# Altium PCB Bran_Main_Assay_PCB_v2_20170828.pcbdoc (part 4 of 5)
Units mm, origin at the board's own origin, x right, y up, seen from the top; angles counter-clockwise.
Board outline 91.65 x 48.25 mm, 6 copper layers (TOP, GND1, Singal, POWER, GND2, BOTTOM), stack 0.8 mm thick; 367 components, 288 nets, 1408 pads, 967 vias.
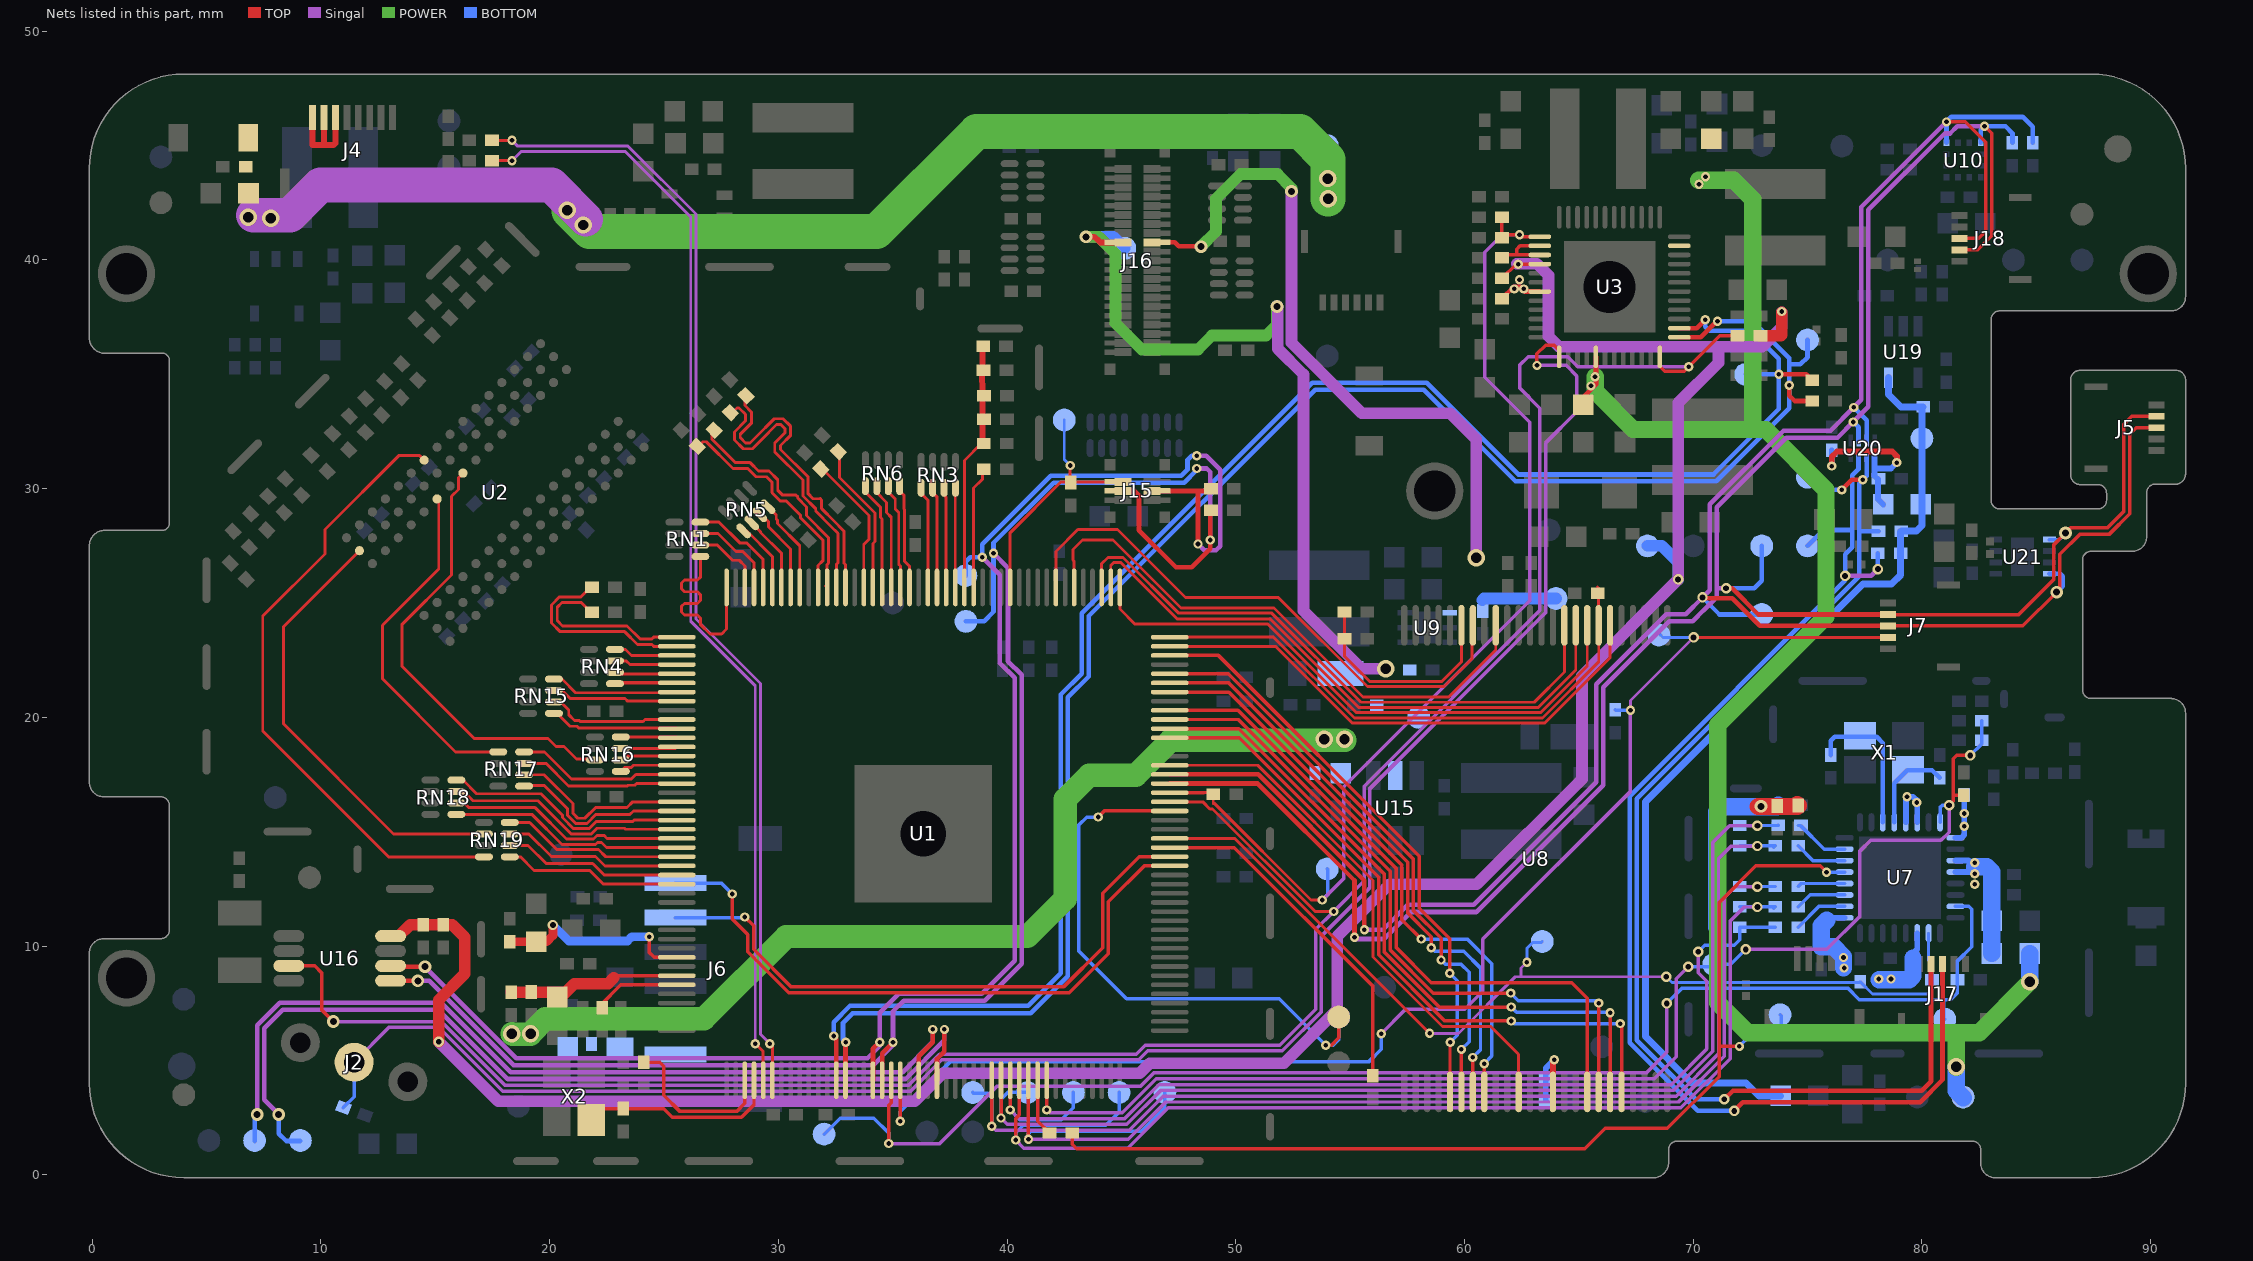
[diagram p8: the nets of this part, all layers, seen from the top]

## Via types
v1: diameter 0.406, hole 0.203, TOP to BOTTOM, tented both sides, 424 vias
v2: diameter 0.457, hole 0.254, TOP to BOTTOM, tented both sides, 256 vias
v3: diameter 0.559, hole 0.305, TOP to BOTTOM, tented both sides, 195 vias
v4: diameter 0.762, hole 0.457, TOP to BOTTOM, tented both sides, 69 vias
v5: diameter 0.61, hole 0.33, TOP to BOTTOM, tented both sides, 11 vias
v6: diameter 0.5, hole 0.2, TOP to BOTTOM, 9 vias
v7: diameter 0.559, hole 0.051, TOP to BOTTOM, tented both sides, 2 vias
v8: diameter 0.508, hole 0.254, TOP to BOTTOM, tented both sides, 1 vias

## Nets (pads, with @x,y where several pads share a name; then routed paths per layer and width w, separated by ;. In a path a pad name is that pad's centre, name@x,y a point inside that pad or via, vN(x,y) a via of type N, cw(c..) or ccw(c..) an arc to the next point about the centre after c; other vN are vias at no path point) (continued)
NCE0-N: U1.2 U8.9 | length 26.6
  TOP w0.127: U1.2@44.535,25.683 44.535,26.64 44.662,26.767 44.974,26.767 47.438,24.303 51.505,24.303 55.374,20.434 63.225,20.434 64.867,22.076 U8.9@64.867,24.024
NCE1-N: U1.3 U8.10 | length 26.6
  TOP w0.127: U1.3@44.135,25.683 44.135,26.716 44.415,26.996 45.069,26.996 47.507,24.557 51.575,24.557 55.469,20.663 63.051,20.663 64.367,21.979 U8.10@64.367,24.024
NCLE: U1.6 U8.16 | length 25.1
  TOP w0.127: U1.6@42.935,25.683 42.935,26.821 42.883,26.873 42.883,27.346 43.293,27.756 44.632,27.756 47.602,24.786 51.669,24.786 55.564,20.892 59.31,20.892 61.367,22.948 U8.16@61.367,24.024
ND0: U1.174 U8.29 | length 25.7
  TOP w0.152: U1.174@47.11,22.708 49.244,22.708 58.024,13.928 58.024,11.656 59.358,10.322 v1(59.358,8.81) ; U8.29@59.367,3.624 v1@59.367,5.791
  BOTTOM w0.152: v1(59.358,8.81) 59.688,8.479 59.688,6.107 v1(59.372,5.791)
ND1: U1.172 U8.30 | length 25.7
  TOP w0.152: U1.172@47.11,21.908 49.663,21.908 57.77,13.801 57.77,11.551 58.977,10.344 v1(58.977,9.394) ; U8.30@59.867,3.624 v1@59.867,5.481 ; v1(59.866,5.482) v1@59.867,5.481
  BOTTOM w0.152: v1(58.977,9.394) 59.155,9.216 59.841,9.216 60.2,8.856 60.2,5.816 v1(59.866,5.482)
ND2: U1.171 U8.31 | length 25.9
  TOP w0.152: U1.171@47.11,21.508 49.682,21.508 57.516,13.674 57.516,11.445 58.545,10.417 v1(58.545,9.927) ; U8.31@60.367,3.624 v1(60.367,5.134)
  BOTTOM w0.152: v1(58.545,9.927) 58.698,9.775 59.968,9.775 60.7,9.042 60.7,5.467 v1(60.367,5.134)
ND3: U1.170 U8.32 | length 26.2
  TOP w0.152: U1.170@47.11,21.108 49.702,21.108 57.262,13.547 57.262,11.159 v1(58.113,10.308) ; U8.32@60.831,3.66 U8.32@60.867,3.624 v1(60.867,4.862)
  BOTTOM w0.152: v1(58.113,10.308) 60.12,10.308 61.2,9.228 61.2,5.195 v1(60.867,4.862)
ND4: U1.168 U8.41 | length 29.6
  TOP w0.152: U1.168@47.11,20.308 50.095,20.308 57.008,13.394 57.008,9.936 58.542,8.403 64.685,8.403 65.367,7.722 U8.41@65.367,3.624
ND5: U1.167 U8.42 | length 29.8
  TOP w0.152: U1.167@47.11,19.908 50.114,19.908 56.754,13.267 56.754,9.831 58.64,7.946 v1(62.025,7.946) ; U8.42@65.867,3.624 v1(65.867,7.508)
  BOTTOM w0.152: v1(62.025,7.946) 62.359,7.612 65.763,7.612 v1(65.867,7.508)
ND6: U1.166 U8.43 | length 29.9
  TOP w0.152: U1.166@47.11,19.508 50.133,19.508 56.5,13.14 56.5,9.726 58.89,7.336 v1(62.05,7.336) ; U8.43@66.367,3.624 66.367,7.05 66.336,7.081 v1(66.367,7.081)
  BOTTOM w0.152: v1(62.05,7.336) 62.275,7.112 66.336,7.112 v1(66.367,7.081)
ND7: U1.165 U8.44 | length 29.9
  TOP w0.152: U1.165@47.11,19.108 50.152,19.108 56.246,13.013 56.246,9.621 59.14,6.727 v1(62.05,6.727) ; v1(66.814,6.612) 66.867,6.558 U8.44@66.867,3.624 U8.44@66.851,3.64
  BOTTOM w0.152: v1(62.05,6.727) 62.165,6.612 v1(66.814,6.612)
NDQS: U1.162 U8.35 | length 24.1
  TOP w0.127: U1.162@47.11,17.908 50.961,17.908 56.005,12.864 56.005,9.521 59.04,6.486 61.149,6.486 62.367,5.267 U8.35@62.367,3.624
NMI-N: R21.1 U1.158 U3.48 U16.3 | length 103.4
  TOP w0.127: U1.158@47.11,16.308 48.556,16.308 48.865,15.999 48.986,15.999 53.471,11.514 v1(54.278,11.514)
  TOP w0.152: U16.3@8.594,9.135 9.724,9.135 10.045,8.814 10.045,7.195 v3(10.539,6.701) ; U3.48@68.543,35.769 68.543,35.349 68.756,35.136 69.616,35.136 v1(69.811,35.331) 71.163,36.683 R21.1@71.939,36.683
  Singal w0.152: v3(10.539,6.701) 15.259,6.701 18.053,3.907 35.674,3.907 37.046,5.279 45.656,5.279 46.049,5.672 51.917,5.672 53.492,7.247 53.492,10.728 v1(54.278,11.514) 55.613,12.849 55.613,16.997 63.29,24.674 63.29,33.521 62.406,34.406 62.406,35.39 62.787,35.771 64.52,35.771 64.96,35.331 v1(69.811,35.331)
NRB0-N: R34.2 U1.176 U8.7 | length 24.5
  TOP w0.127: U1.176@47.11,23.508 51.654,23.508 55.185,19.977 63.414,19.977 65.87,22.433 65.87,24.021 U8.7@65.867,24.024 65.867,25.647 65.816,25.698
NRB1-N: U1.175 U8.6 | length 23.2
  TOP w0.127: U1.175@47.11,23.108 51.731,23.108 55.09,19.748 63.509,19.748 66.367,22.606 U8.6@66.367,24.024
NRE-N: U1.1 U8.8 | length 25.9
  TOP w0.127: U1.1@44.935,25.683 44.935,24.735 45.595,24.075 51.411,24.075 55.28,20.206 63.32,20.206 65.367,22.253 U8.8@65.367,24.024
NWE-N: U1.8 U8.18 | length 25
  TOP w0.127: U1.8@42.135,25.683 42.135,27.253 43.095,28.213 44.828,28.213 47.798,25.243 51.859,25.243 55.753,21.349 59.108,21.349 60.337,22.578 60.337,23.994 U8.18@60.367,24.024
NWP-N: C111.2 R39.2 U8.19 | length 9.5
  TOP w0.127: R39.2@54.753,24.608 C111.2@54.753,23.44 54.753,22.673 55.848,21.577 59.013,21.577 59.867,22.431 U8.19@59.867,24.024
O_RESET: J7.2 R131.2 TP86.1 U1.108 | length 60.3
  TOP w0.127: v2@70.045,23.5 J7.2@78.52,23.5
  TOP w0.152: v1@35.335,2.338 U1.108@35.335,4.133
  Singal w0.127: v1(67.257,20.316) 67.257,20.738 v2(70.015,23.495)
  Singal w0.152: v1(56.361,6.168) 56.361,6.173 57.422,7.235 60.015,7.235 60.806,8.026 60.806,10.308 67.257,16.76 v1(67.257,20.316)
  BOTTOM w0.127: TP86.1@68.5,23.677 68.539,23.639 68.682,23.495 v2(70.015,23.495)
  BOTTOM w0.152: v1(35.331,2.337) 35.331,2.756 37.528,4.953 55.827,4.953 56.361,5.486 v1(56.361,6.168) ; R131.2@66.597,20.333 66.614,20.316 v1(67.257,20.316)
ODT: RN19.4 U2.K1 | length 27.6
  TOP w0.127: U2.K1@14.513,31.248 14.318,31.443 13.399,31.443 10.173,28.217 10.173,27.151 7.455,24.433 7.455,19.404 12.955,13.904 RN19.4@17.127,13.904
P_RX_UART1: J6.5 U1.152 | length 27.2
  TOP w0.152: v1(28.537,11.273) 28.922,10.888 28.922,9.855 30.565,8.212 42.467,8.212 44.178,9.923 44.178,12.308 45.778,13.908 U1.152@47.11,13.908
  BOTTOM w0.152: J6.5@25.5,11.25 28.513,11.25 v1(28.537,11.273)
P_TX_UART1: J6.6 U1.151 | length 28.3
  TOP w0.152: v1(27.989,12.276) 27.989,11.186 28.668,10.507 28.668,9.75 30.459,7.958 42.721,7.958 44.432,9.669 44.432,11.933 46.007,13.508 U1.151@47.11,13.508
  BOTTOM w0.152: J6.6@25.5,12.75 27.515,12.75 v1(27.989,12.276)
RAS: RN16.3 U2.J3 | length 19.7
  TOP w0.127: U2.J3@16.21,30.682 16.01,30.482 16.01,29.965 15.71,29.665 15.71,26.232 13.551,24.073 13.551,22.227 16.705,19.073 19.929,19.073 20.279,18.724 20.628,18.724 21.168,18.184 21.937,18.184 RN16.3@21.981,18.141
RESET-N: C7.2 C71.2 R23.1 TP88.1 U1.159 U3.25 | length 47.7
  TOP w0.127: 48.603,16.708 48.947,16.708 C7.2@49.021,16.634 ; C7.2@49.017,16.63 49.017,16.228 49.08,16.228 53.294,12.014 v1(53.784,12.014)
  TOP w0.152: U1.159@47.11,16.708 48.603,16.708 ; C71.2@61.636,41.867 R23.1@61.636,40.978 61.763,41.105 v1(62.406,41.105) 62.492,41.019 U3.25@63.293,41.019
  Singal w0.152: v1(53.784,12.014) 54.724,12.954 54.724,16.967 62.852,25.095 62.852,32.907 60.882,34.877 60.882,40.343 61.644,41.105 v1(62.406,41.105)
  BOTTOM w0.152: v1(53.784,12.014) 54.013,12.243 54.013,13.364 TP88.1@54,13.377
RST: RN19.2 U2.T2 | length 19.7
  TOP w0.127: U2.T2@11.685,27.288 8.37,23.973 8.37,19.708 13.174,14.904 RN19.2@17.127,14.904
RTCVDD: C31.2 C59.2 R21.2 R194.2 TP50.1 U3.28 U16.8 | length 110.8
  TOP w0.152: C59.2@61.636,39.2 62.255,39.819 v1(62.357,39.819) U3.28@63.293,39.819
  TOP w0.508: U16.8@13.044,10.435 13.394,10.435 13.898,10.939 R194.2@14.465,10.939 C31.2@15.354,10.939 15.743,10.939 16.294,10.389 16.294,8.788 15.151,7.645 v2(15.151,5.817) ; R21.2@72.939,36.683 73.838,36.683 ; 73.875,36.72 v1@73.875,37.719
  Singal w0.508: v2(15.151,5.817) 17.746,3.221 35.958,3.221 37.181,4.445 45.795,4.445 46.235,4.885 52.107,4.885 54.444,7.222 54.444,10.427 56.72,12.703 60.543,12.703 65.138,17.297 65.138,21.819 69.354,26.035 69.354,33.757 71.107,35.509 71.107,36.203 ; v1@62.279,39.835 63.168,39.835 63.676,39.327 63.676,36.66 64.133,36.203 71.107,36.203 ; v1@73.875,37.719 73.875,37.059 73.02,36.203 71.107,36.203
  BOTTOM w0.508: TP50.1@68,27.5 68.623,27.5 69.34,26.783 v2(69.34,26.031)
  other v1: 73.875,37.744
SA0: RN17.5 U1.64 | length 7.8
  TOP w0.127: RN17.5@18.882,16.992 18.905,17.015 19.774,17.015 20.788,16.001 20.788,15.712 21.138,15.362 21.632,15.362 22.031,15.761 23.514,15.761 23.661,15.908 U1.64@25.56,15.908
SA1: RN15.7 U1.52 | length 5.6
  TOP w0.127: RN15.7@20.187,21.178 20.55,21.178 20.902,20.825 23.297,20.825 23.414,20.708 U1.52@25.56,20.708
SA2: RN18.7 U1.66 | length 10.5
  TOP w0.127: RN18.7@15.92,16.758 16.248,16.758 16.649,16.357 19.493,16.357 20.945,14.905 21.822,14.905 22.068,15.152 23.276,15.152 23.32,15.108 U1.66@25.56,15.108
SA3: RN18.8 U1.65 | length 10.7
  TOP w0.127: RN18.8@15.92,17.258 16.205,17.258 16.802,16.661 19.619,16.661 20.559,15.721 20.559,15.617 21.043,15.134 21.727,15.134 22.05,15.456 23.641,15.456 23.692,15.508 U1.65@25.56,15.508
SA4: RN15.8 U1.51 | length 5.9
  TOP w0.127: RN15.8@20.187,21.678 20.535,21.678 21.133,21.079 U1.51@25.27,21.079 ; U1.51@25.27,21.079 25.299,21.108 U1.51@25.56,21.108 U1.51@25.27,21.079
SA5: RN18.6 U1.67 | length 10.4
  TOP w0.127: RN18.6@15.92,16.258 16.269,16.258 16.475,16.052 19.366,16.052 20.742,14.676 21.916,14.676 22.072,14.832 22.388,14.832 22.512,14.708 U1.67@25.56,14.708
SA6: RN15.6 U1.54 | length 5.9
  TOP w0.127: RN15.6@20.187,20.678 20.481,20.678 20.835,20.325 20.835,20.118 21.085,19.867 21.3,19.867 21.354,19.813 24.068,19.813 24.163,19.908 U1.54@25.56,19.908
SA7: RN19.6 U1.71 | length 7.8
  TOP w0.127: RN19.6@18.257,14.404 19.059,14.404 19.851,13.612 21.882,13.612 22.387,13.108 U1.71@25.56,13.108
SA8: RN15.5 U1.55 | length 5.9
  TOP w0.127: U1.55@25.56,19.508 25.533,19.535 21.273,19.535 21.194,19.613 20.89,19.613 RN15.5@20.413,20.09 ; RN15.5@20.413,20.09 RN15.5@20.187,20.178 20.275,20.09 RN15.5@20.413,20.09
SA9: RN19.8 U1.69 | length 7.9
  TOP w0.127: RN19.8@18.257,15.404 19.126,15.404 20.311,14.219 22.106,14.219 22.109,14.222 22.135,14.222 22.449,13.908 U1.69@25.56,13.908
SA10: RN4.7 U1.48 | length 2.8
  TOP w0.127: RN4.7@22.854,22.473 23.343,22.473 23.508,22.308 U1.48@25.56,22.308
SA11: RN16.8 U1.56 | length 2.5
  TOP w0.127: RN16.8@23.11,19.141 25.527,19.141 U1.56@25.56,19.108
SA12: RN4.5 U1.50 | length 2.7
  TOP w0.152: RN4.5@22.854,21.473 22.889,21.508 U1.50@25.56,21.508
SA13: RN18.5 U1.68 | length 10.3
  TOP w0.127: RN18.5@15.92,15.758 15.931,15.747 19.24,15.747 20.539,14.448 22.011,14.448 22.09,14.527 22.261,14.527 22.48,14.308 U1.68@25.56,14.308
SA14: RN16.7 U1.57 | length 2.5
  TOP w0.127: RN16.7@23.11,18.641 25.493,18.641 U1.57@25.56,18.708
SBA0: RN17.6 U1.63 | length 8
  TOP w0.127: RN17.6@18.882,17.492 19.759,17.492 21.017,16.234 21.017,15.806 21.232,15.591 21.538,15.591 22.013,16.066 23.388,16.066 23.63,16.308 U1.63@25.56,16.308
SBA1: RN4.6 U1.49 | length 3.2
  TOP w0.127: RN4.6@22.854,21.973 22.934,21.893 U1.49@25.121,21.893 ; U1.49@25.121,21.893 25.135,21.908 U1.49@25.56,21.908 U1.49@25.121,21.893
SBA2: RN17.7 U1.61 | length 7.1
  TOP w0.127: RN17.7@18.882,17.992 19.84,17.992 20.827,17.005 23.404,17.005 23.431,17.033 23.724,17.033 23.799,17.108 U1.61@25.56,17.108
SCAS: RN16.5 U1.59 | length 2.6
  TOP w0.127: RN16.5@23.11,17.641 23.28,17.81 23.57,17.81 23.668,17.908 U1.59@25.56,17.908
SCK: R65.2 U1.45 | length 7.9
  TOP w0.127: R65.2@21.795,24.604 21.382,25.017 20.536,25.017 20.333,24.814 20.333,24.233 20.566,24.001 23.385,24.001 23.951,23.435 24.48,23.435 24.553,23.508 U1.45@25.56,23.508
SCK-N: R68.2 U1.46 | length 8.7
  TOP w0.127: R68.2@21.795,25.696 21.37,25.271 20.431,25.271 20.079,24.919 20.079,24.128 20.46,23.747 23.28,23.747 23.846,23.181 24.48,23.181 24.553,23.108 U1.46@25.56,23.108
SCKE: RN4.8 U1.47 | length 2.8
  TOP w0.127: RN4.8@22.854,22.973 23.319,22.973 23.584,22.708 U1.47@25.56,22.708
SD_CLK_1: R171.2 TP43.1 U7.21 | length 47.7
  TOP w0.152: R171.2@42.854,1.829 42.854,1.329 43.04,1.143 65.265,1.143 66.154,2.032 68.872,2.032 71.132,4.293 71.132,5.613 ; v1(72.021,5.613) 71.132,5.613 ; v1(75.831,13.233) 75.552,13.513 72.737,13.513 71.132,11.908 71.132,5.613
  BOTTOM w0.152: v1(72.021,5.613) 72.504,6.096 73.545,6.096 73.85,6.401 73.85,6.95 TP43.1@73.8,7 ; v1(75.831,13.233) 76.614,13.233 U7.21@76.618,13.237
SD_CMD_1: R170.2 U7.20 | length 2.1
  BOTTOM w0.152: R170.2@74.59,12.606 74.721,12.737 U7.20@76.618,12.737
SD_D0_1: R172.2 U7.22 | length 2.3
  BOTTOM w0.152: R172.2@74.59,14.384 75.237,13.737 U7.22@76.618,13.737
SD_D1_1: R173.2 U7.23 | length 2.5
  BOTTOM w0.152: R173.2@74.59,15.273 74.691,15.273 75.727,14.237 U7.23@76.618,14.237
SD_D2_1: R168.2 U7.18 | length 2.4
  BOTTOM w0.152: R168.2@74.59,10.828 75.499,11.737 U7.18@76.618,11.737
SD_D3_1: R169.2 U7.19 | length 2.2
  BOTTOM w0.152: R169.2@74.59,11.717 75.11,12.237 U7.19@76.618,12.237
SDQ0: RN3.5 U1.22 | length 4.5
  TOP w0.127: RN3.5@36.245,30.04 36.245,29.794 36.547,29.493 36.547,29.072 36.535,29.059 U1.22@36.535,25.683
SDQ1: RN1.8 U1.40 | length 4.6
  TOP w0.127: RN1.8@26.588,28.536 27.406,28.536 28.309,27.633 28.602,27.633 29.335,26.9 U1.40@29.335,25.683
SDQ2: RN3.6 U1.21 | length 4.4
  TOP w0.127: RN3.6@36.746,30.04 36.746,29.833 36.928,29.651 36.928,29.464 U1.21@36.935,25.683
SDQ3: RN1.7 U1.41 | length 4
  TOP w0.127: RN1.7@26.588,28.036 27.367,28.036 28.151,27.252 28.445,27.252 28.935,26.761 U1.41@28.935,25.683
SDQ4: RN3.8 U1.19 | length 4.4
  TOP w0.127: U1.19@37.735,25.683 37.735,29.48 RN3.8@37.746,30.04
SDQ5: RN1.5 U1.44 | length 8.9
  TOP w0.127: RN1.5@26.588,27.036 26.588,26.129 26.461,26.002 25.896,26.002 25.769,25.875 25.769,25.621 25.896,25.494 26.461,25.494 26.588,25.367 26.588,25.113 26.461,24.986 25.896,24.986 25.769,24.859 25.769,24.605 25.896,24.478 26.461,24.478 26.588,24.351 26.588,24.071 27.013,23.645 27.521,23.645 27.735,23.859 U1.44@27.735,25.683
SDQ6: RN3.7 U1.20 | length 5
  TOP w0.127: U1.20@37.335,25.683 37.335,27.03 37.326,27.04 37.335,27.576 37.335,29.623 37.309,29.649 ; RN3.7@37.245,30.04 RN3.7@37.309,29.809 ; RN3.7@37.245,30.04 RN3.7@37.278,29.84 ; RN3.7@37.245,30.04 37.245,29.872 RN3.7@37.278,29.84 ; RN3.7@37.278,29.84 RN3.7@37.309,29.809 ; RN3.7@37.278,29.84 37.309,29.649 ; 37.309,29.649 RN3.7@37.309,29.809
SDQ7: RN1.6 U1.42 | length 3.3
  TOP w0.127: RN1.6@26.588,27.536 27.328,27.536 27.993,26.871 28.287,26.871 28.535,26.623 U1.42@28.535,25.683
SDQ8: RN5.7 U1.37 | length 3.8
  TOP w0.127: RN5.7@29.19,28.858 29.267,28.858 29.577,28.548 29.577,28.32 30.535,27.362 U1.37@30.535,25.683
SDQ9: RN6.7 U1.25 | length 4.7
  TOP w0.127: RN6.7@34.807,30.116 34.807,29.857 35.109,29.555 35.109,29.112 35.264,28.957 35.264,26.692 35.335,26.621 U1.25@35.335,25.683
SDQ10: RN5.5 U1.39 | length 3.1
  TOP w0.127: RN5.5@28.483,28.151 28.623,28.151 29.735,27.039 U1.39@29.735,25.683
SDQ11: RN6.8 U1.24 | length 4.6
  TOP w0.127: RN6.8@35.307,30.116 35.307,29.896 35.49,29.713 35.49,29.117 35.518,29.089 35.518,26.825 35.735,26.608 U1.24@35.735,25.683
SDQ12: RN5.8 U1.36 | length 4.1
  TOP w0.127: RN5.8@29.544,29.212 29.909,28.846 29.909,28.678 29.958,28.628 29.958,28.478 30.935,27.501 U1.36@30.935,25.683
SDQ13: RN6.6 U1.26 | length 4.7
  TOP w0.127: RN6.6@34.307,30.116 34.307,29.818 34.728,29.397 34.728,28.954 34.935,28.747 U1.26@34.935,25.683
SDQ14: RN5.6 U1.38 | length 3.4
  TOP w0.127: RN5.6@28.836,28.505 29.225,28.116 29.225,28.088 30.135,27.178 U1.38@30.135,25.683
SDQ15: RN6.5 U1.27 | length 4.7
  TOP w0.127: RN6.5@33.807,30.116 33.807,29.848 34.474,29.181 34.474,28.74 34.535,28.679 U1.27@34.535,25.683
SDQM0: R76.1 U1.29 | length 6.1
  TOP w0.127: R76.1@31.905,30.819 31.976,30.819 33.966,28.829 33.966,27.79 33.735,27.56 U1.29@33.735,25.683
SDQM1: R77.1 U1.28 | length 6.6
  TOP w0.127: R77.1@32.667,31.581 32.667,30.487 34.22,28.935 34.22,27.685 34.135,27.6 U1.28@34.135,25.683
SDQS0: R72.1 U1.31 | length 13.6
  TOP w0.127: R72.1@28.629,34.019 28.539,33.93 28.539,33.634 28.818,33.355 28.818,32.862 28.334,32.378 28.334,32.234 28.567,32.002 28.764,32.002 28.996,32.234 29.819,33.057 30.208,33.057 30.538,32.727 30.538,32.337 30.095,31.894 30.095,31.714 31.304,30.506 31.304,29.776 31.519,29.561 31.825,29.561 31.83,29.566 31.89,29.506 31.89,29.125 31.916,29.099 32.412,28.602 32.862,28.153 32.862,26.763 32.935,26.69 U1.31@32.935,25.683
SDQS0-N: R73.1 U1.32 | length 13.3
  TOP w0.127: R73.1@27.943,33.282 28.189,33.529 28.286,33.529 28.564,33.25 28.564,32.967 28.08,32.484 28.08,32.129 28.461,31.748 28.869,31.748 29.25,32.129 29.924,32.803 30.103,32.803 30.284,32.622 30.284,32.443 29.841,31.999 29.841,31.609 31.075,30.375 31.075,29.682 31.636,29.121 31.636,29.019 31.662,28.994 32.307,28.348 32.608,28.047 32.608,26.763 32.535,26.69 U1.32@32.535,25.683
SDQS1: R74.1 U1.33 | length 10.1
  TOP w0.127: R74.1@27.232,32.52 27.09,32.378 27.09,32.169 28.122,31.136 28.768,31.136 29.129,30.775 29.587,30.775 29.973,30.389 29.973,29.932 30.188,29.716 30.776,29.716 30.846,29.646 30.846,29.587 31.23,29.204 31.23,28.825 32.198,27.857 32.198,26.743 32.135,26.681 U1.33@32.135,25.683 U1.33@32.068,25.75
SDQS1-N: R75.1 U1.34 | length 9.8
  TOP w0.127: R75.1@26.495,31.809 26.495,31.839 26.709,32.053 26.846,32.053 28.016,30.882 28.663,30.882 29.024,30.521 29.481,30.521 29.719,30.283 29.719,29.826 30.083,29.462 30.346,29.462 30.976,28.832 30.976,28.72 31.944,27.752 31.944,26.849 31.735,26.64 U1.34@31.735,25.683
SODT: RN19.5 U1.72 | length 7.8
  TOP w0.127: RN19.5@18.257,13.904 18.721,13.904 19.317,13.308 21.756,13.308 22.355,12.708 U1.72@25.56,12.708
SRAS: RN16.6 U1.58 | length 2.5
  TOP w0.127: RN16.6@23.11,18.141 23.277,18.308 U1.58@25.56,18.308
SRST: RN19.7 U1.70 | length 7.9
  TOP w0.127: RN19.7@18.257,14.904 19.089,14.904 20.075,13.917 22.009,13.917 22.418,13.508 U1.70@25.56,13.508
SVREF: C82.2 C84.1 C148.2 R89.1 R91.2 U1.18 | length 14.9
  TOP w0.127: U1.18@38.135,25.683 38.135,31.237 C148.2@38.875,31.977 ; C84.1@38.91,35.18 C82.2@38.911,34.095 ; C148.2@38.923,31.984 C148.2@38.875,31.977 ; C148.2@38.925,31.985 C148.2@38.934,31.986 ; C148.2@38.875,31.977 38.925,31.977 C148.2@38.934,31.986 ; C82.2@38.911,34.095 C82.2@38.925,34.081 ; C82.2@38.911,34.095 C82.2@38.925,34.081 ; C82.2@38.925,34.081 C82.2@38.934,34.071 ; C82.2@38.925,34.081 C82.2@38.934,34.071 ; C148.2@38.934,31.986 38.934,33.042 C82.2@38.934,34.071
  TOP w0.152: R89.1@38.898,36.227 38.911,36.214 38.925,35.649
  TOP w0.227: C82.2@38.911,34.095 C82.2@38.925,34.071
  TOP w0.234: R91.2@38.925,33.043 R91.2@38.934,33.042
  TOP w0.254: R89.1@38.897,36.227 38.911,36.214 38.925,36.2 38.925,35.649 38.91,35.182 C84.1@38.91,35.18 ; C84.1@38.91,35.18 38.925,34.081 C82.2@38.925,34.071 ; C148.2@38.925,31.977 38.925,31.985 38.925,33.043 C82.2@38.925,34.071 ; C82.2@38.934,34.071 C82.2@38.925,34.071
SWE: RN17.8 U1.60 | length 7.2
  TOP w0.127: RN17.8@18.882,18.492 19.774,18.489 20.953,17.31 23.57,17.31 23.768,17.508 U1.60@25.56,17.508
SZQ: R94.2 U1.17 | length 5.3
  TOP w0.127: U1.17@38.535,25.683 38.535,30.024 38.925,30.414 R94.2@38.925,30.859
TP-INT: J15.2 R177.1 TP30.1 U1.13 | length 11
  TOP w0.127: U1.13@40.135,25.683 40.135,28.075 42.36,30.3 R177.1@42.76,30.3 ; v1(42.76,31.013) R177.1@42.76,30.3 ; J15.2@44.475,30.3 R177.1@42.76,30.3 ; J15.2@44.548,30.3 J15.2@45.065,30.3
  BOTTOM w0.127: TP30.1@42.5,33 42.5,31.274 v1(42.76,31.013)
TS: J2.2 R178.2 U3.37 | length 84.1
  TOP w0.152: v1(63.168,35.39) 63.168,35.898 63.549,36.279 63.93,36.279 64.143,36.066 U3.37@64.143,35.769
  Singal w0.152: J2.2@11.45,4.923 12.974,6.447 15.154,6.447 17.948,3.653 35.779,3.653 37.151,5.025 45.762,5.025 46.155,5.418 52.029,5.418 53.746,7.135 53.746,10.443 55.867,12.564 55.867,16.891 63.544,24.569 63.544,31.997 64.909,33.362 64.909,34.925 64.444,35.39 v1(63.168,35.39)
  BOTTOM w0.152: R178.2@10.984,2.942 11.45,3.408 J2.2@11.45,4.923
TWI0-SCK: R8.2 TP7.1 U1.101 U3.2 | length 77.6
  TOP w0.203: v1(32.423,6.066) 32.535,5.954 U1.101@32.535,4.133 ; U3.2@69.393,37.019 70.158,37.019 v1(70.523,37.384) ; v1(73.748,35.001) 74.95,35.001 R8.2@75.204,34.747
  BOTTOM w0.203: v1(32.423,6.066) 32.423,6.677 33.133,7.387 40.932,7.387 42.354,8.809 42.354,21.001 43.269,21.915 43.269,24.559 53.343,34.633 58.347,34.633 62.356,30.623 70.887,30.623 73.748,33.485 v1(73.748,35.001) ; v1(70.523,37.384) 70.523,37.084 70.7,36.906 72.529,36.906 73.748,35.687 v1(73.748,35.001) ; TP7.1@72.3,35 72.301,35.001 v1(73.748,35.001)
TWI0-SDA: R7.2 TP6.1 U1.102 U3.1 | length 78.3
  TOP w0.127: v1@32.935,5.792 v1(32.942,5.799)
  TOP w0.203: U1.102@32.935,4.133 v1@32.935,5.792 ; U3.1@69.393,36.619 70.332,36.619 71.03,37.317 v1(71.064,37.317) ; v1(74.206,34.519) 74.206,34.061 74.434,33.833 R7.2@75.204,33.833 R7.2@75.23,33.833
  BOTTOM w0.203: v1(32.942,5.799) 32.829,5.912 32.829,6.642 33.244,7.056 41.032,7.056 42.659,8.683 42.659,20.874 43.574,21.789 43.574,24.433 53.469,34.328 58.22,34.328 62.23,30.318 71.013,30.318 74.206,33.511 v1(74.206,34.519) 74.206,35.433 ; v1(71.064,37.317) 72.601,37.317 74.206,35.712 74.206,35.433 ; TP6.1@75,36.5 75,35.745 74.688,35.433 74.206,35.433
TWI1-SCK: J15.3 R6.2 TP28.1 U1.105 U16.6 | length 75.5
  TOP w0.203: U16.6@13.048,9.14 U16.6@13.044,9.135 13.079,9.1 v3(14.548,9.1) ; U1.105@34.135,4.133 34.135,5.505 v1(34.43,5.799) ; J15.3@46.335,29.9 J15.3@46.925,29.9 48.825,29.9 R6.2@48.916,29.991 ; v1(48.349,27.58) 48.349,29.875